# Altium PCB pUFM_Digital_Interface_R0.1-PCB.PcbDoc (part 1 of 3)
Units mm, origin at the board's own origin, x right, y up, seen from the top; angles counter-clockwise.
Board outline 147.37 x 77.37 mm, 2 copper layers (Top Layer, Bottom Layer), stack 1.57 mm thick; 267 components, 162 nets, 742 pads, 196 vias.
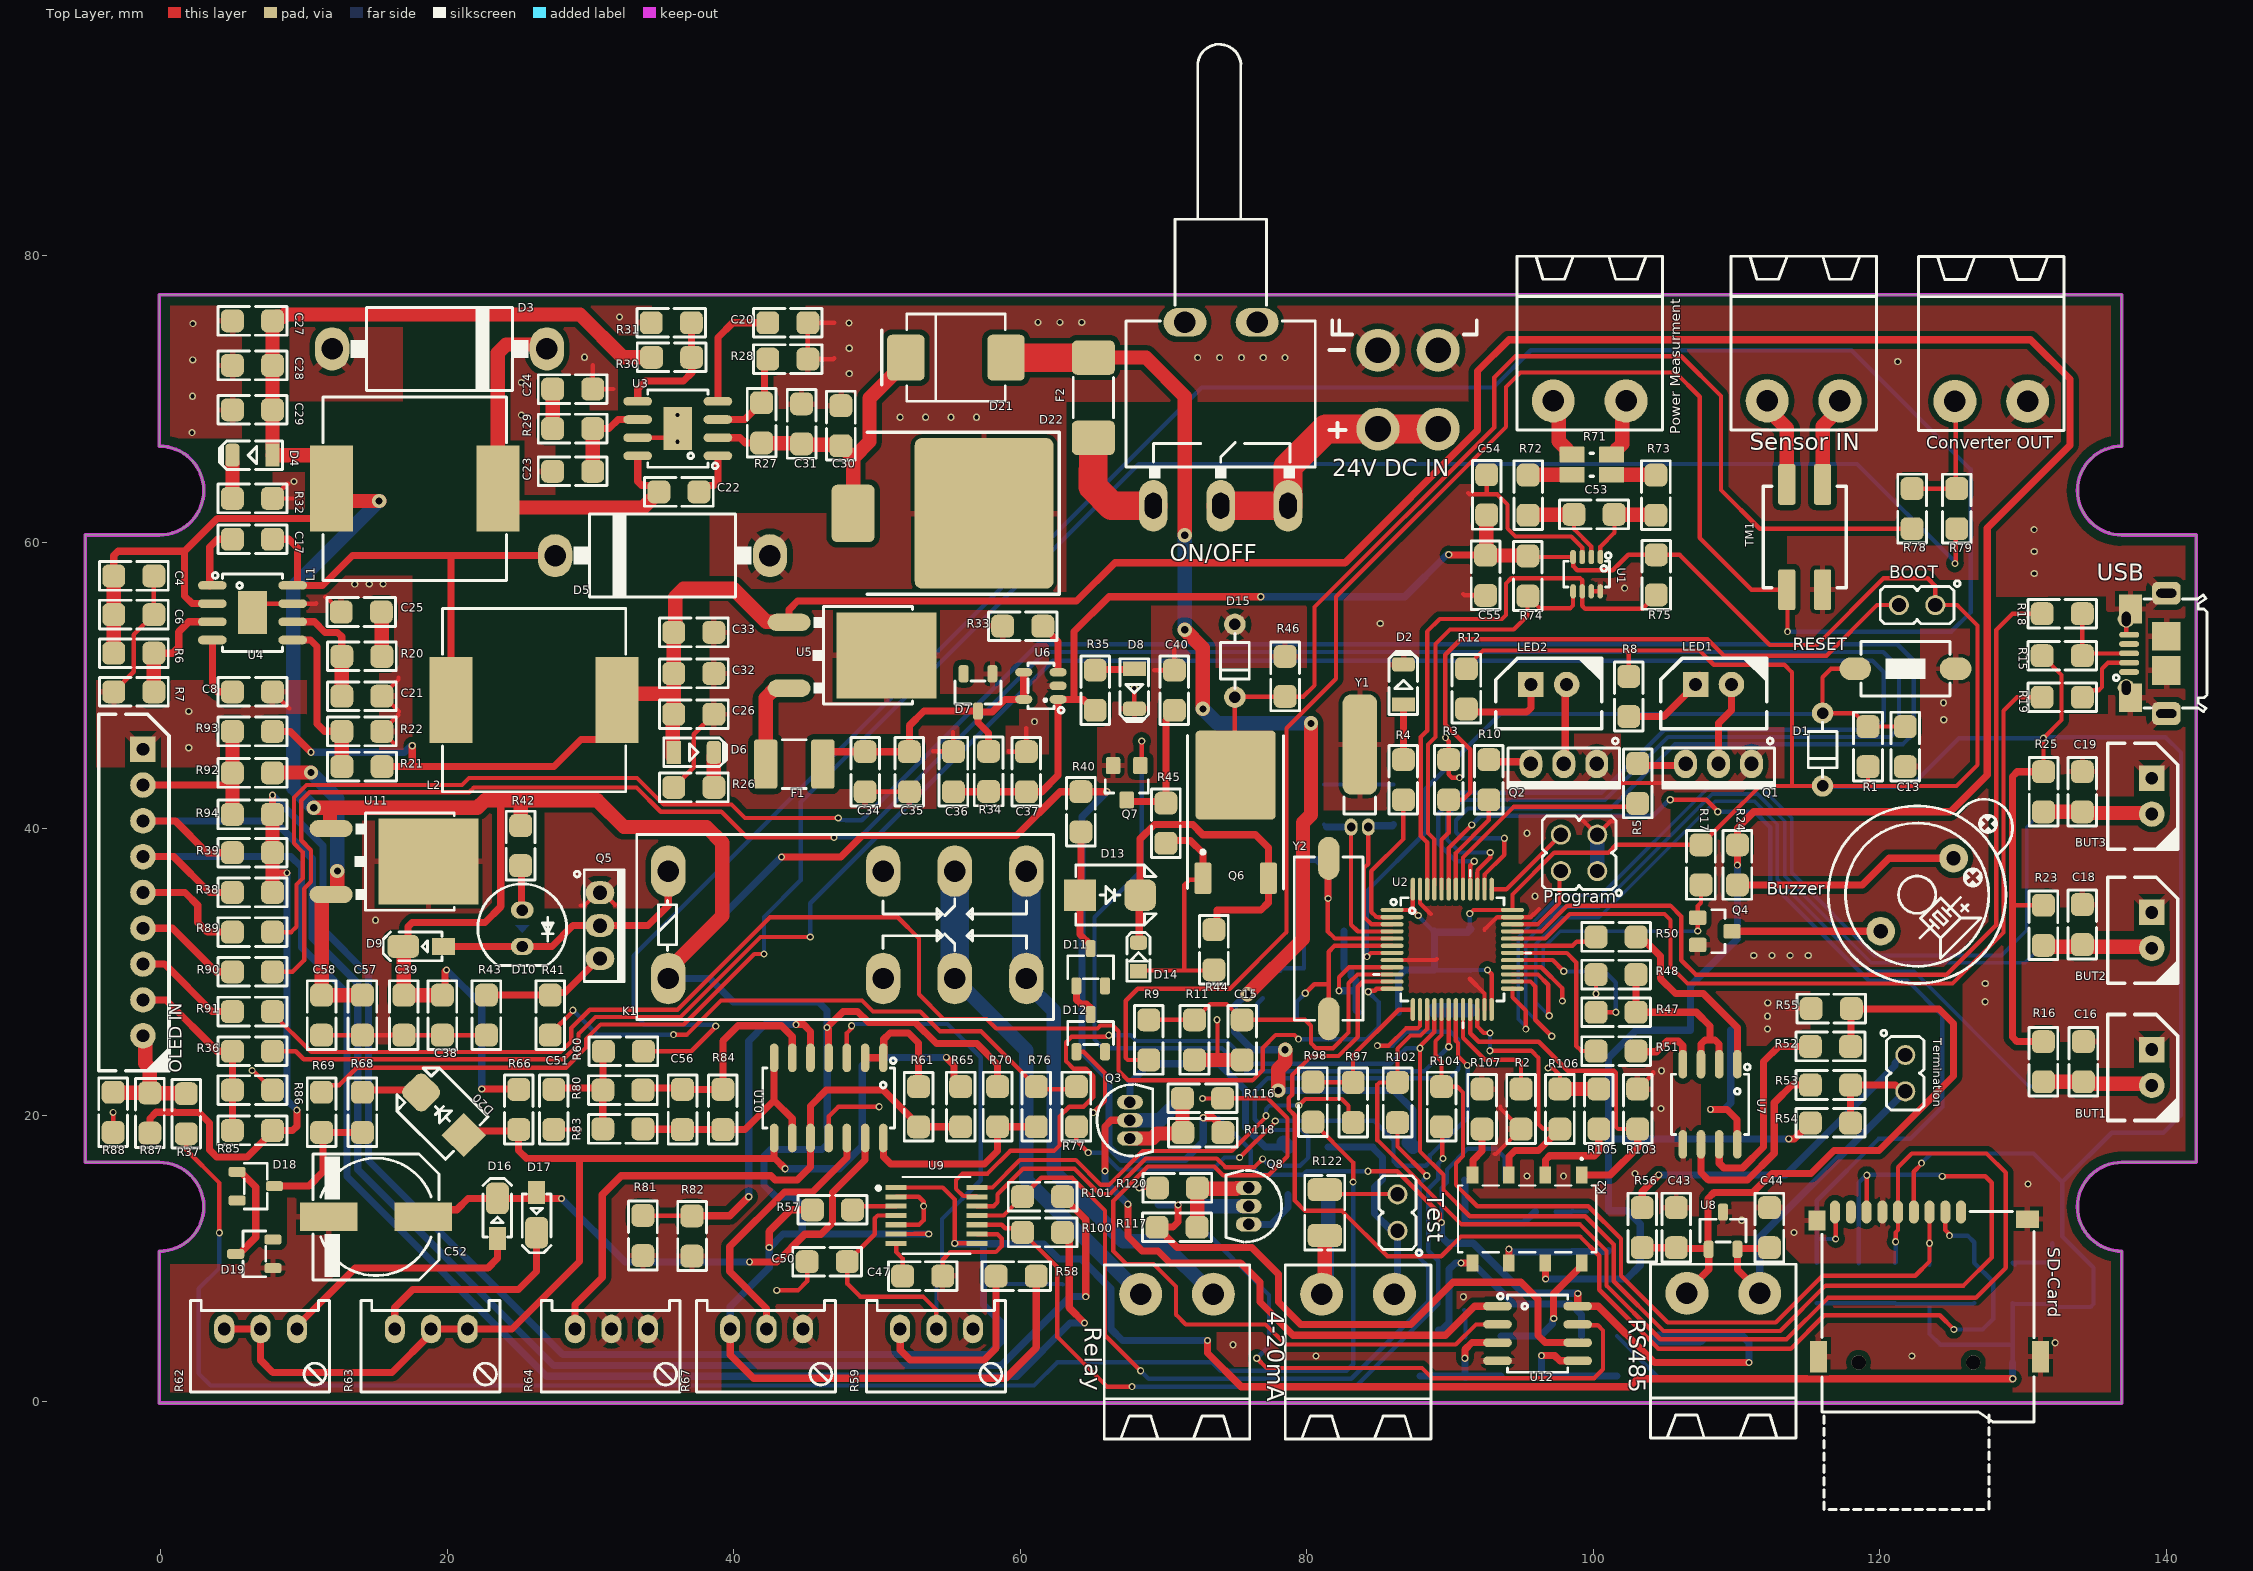
[diagram p0: Top Layer view]
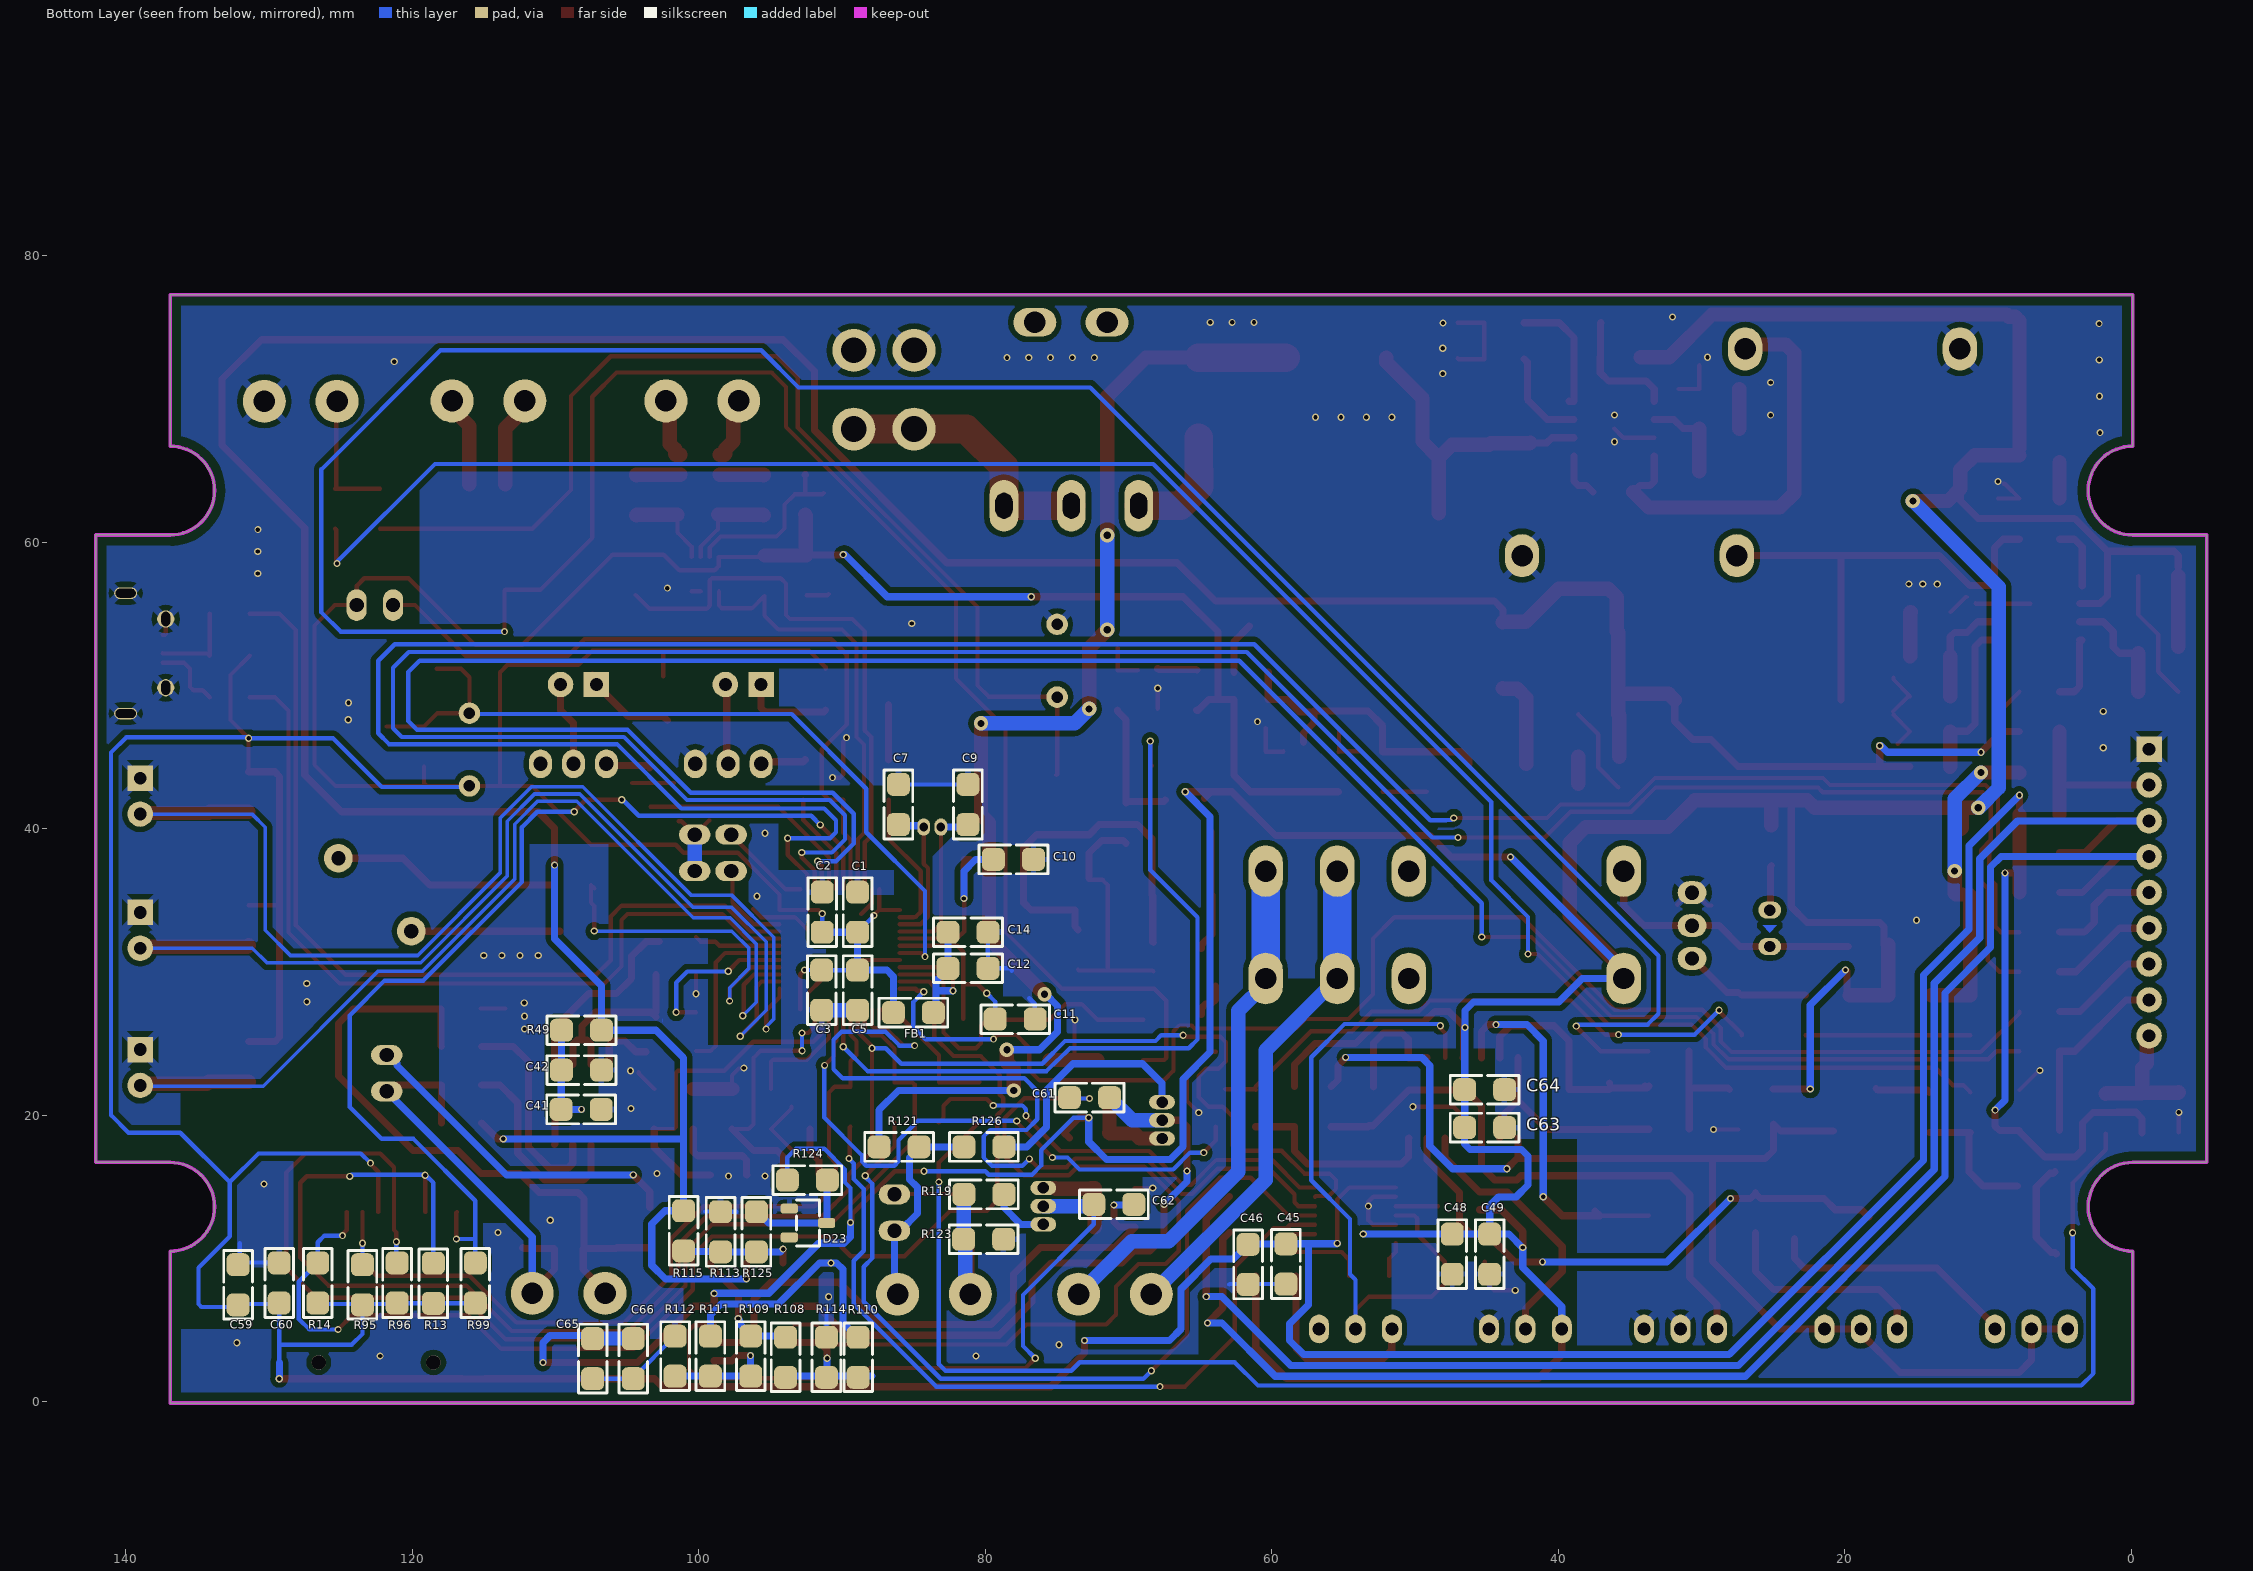
[diagram p1: Bottom Layer view, seen from below]

## Layer stack, top to bottom
Top Solder: solder mask 0.015, Solder Resist, Dk 3.5
Top Layer: signal copper 0.035
Dielectric1: core 1.5, FR-4, Dk 4.8
Bottom Layer: signal copper 0.035
Bottom Solder: solder mask 0.015, Solder Resist, Dk 3.5

## Board outline
-0.097,-0.076 -0.097,10.52 ccw(c-0.097,13.62) -0.097,16.72 -5.283,16.72 -5.283,60.52 -0.097,60.52 ccw(c-0.097,63.62) -0.097,66.72 -0.097,77.296 136.903,77.296 136.903,66.72 ccw(c136.903,63.62) 136.903,60.52 142.089,60.52 142.089,16.72 136.903,16.72 ccw(c136.903,13.62) 136.903,10.52 136.903,-0.076

## Design rules (kind name [scope] priority, off if disabled: settings)
AssemblyTestPointUsage [All] p1 off:
AssemblyTestpoint [All] p1 off: testpointundercomponent=TRUE minsize=1.016 maxsize=2.54 preferedsize=1.524 minholesize=0 maxholesize=1.016 preferedholesize=0.813 testpointgrid=0.025 usegrid=TRUE gridtolerance=0 allowsidetop=TRUE allowsidebottom=TRUE
Clearance "Via with Pad" [IsVia vs ISPAD] p1 off: gap=0.127 ignorepadtopadclearanceinfootprint=TRUE
Clearance "3mm Distance Keep-Out with Pad" [OnLayer('Keep-Out Layer') vs Ispad - HasFootprint('?') - InComponent('?')] p2 off: gap=3 ignorepadtopadclearanceinfootprint=FALSE
Clearance "5mm Distance Pad SMD with THT" [(CompPinCount_ThruHole > 1) - (HoleSize = 10000 ) - HasFootprint('?') vs (HoleSize = 0) - (OnLayer('Top/Bottom Layer')) - InComponent('?')] p3 off: gap=5 ignorepadtopadclearanceinfootprint=FALSE
Clearance "Polygon with Keep-out" [inpolygon vs OnLayer('Keep-Out Layer')] p4: gap=0.635 ignorepadtopadclearanceinfootprint=FALSE
Clearance "Polygon with All" [inpolygon] p5: gap=0.381 ignorepadtopadclearanceinfootprint=FALSE // Min=10mil
Clearance "All with Keep-out" [All vs OnLayer('Keep-Out Layer')] p6: gap=0.762 ignorepadtopadclearanceinfootprint=FALSE
Clearance "Width = 10" [Width = 10 vs Width = 10] p7: gap=0.2 ignorepadtopadclearanceinfootprint=FALSE
Clearance "Clearance All" [All] p8: gap=0.2 ignorepadtopadclearanceinfootprint=TRUE // Min=8mil
ComponentClearance "Choke CAN" [InComponent('R?')or InComponent('R?')or InComponent('L?') vs InComponent('R?')or InComponent('R?')or InComponent('L?')] p1 off: gap=0 collisioncheckmode=3 verticalgap=0 showdistances=FALSE
ComponentClearance "3D Top with 3D Bottom" [OnLayer('3D Top') vs OnLayer('3D Bottom')] p2 off: gap=0 collisioncheckmode=3 verticalgap=0 showdistances=FALSE
ComponentClearance "3D Layer with Logo & TP-?" [OnLayer('3D Top') or OnLayer('3D Bottom') vs HasFootprint('LOGO-?') OR HasFootprint('TP-?') OR HasFootprint('?')] p3 off: gap=0 collisioncheckmode=3 verticalgap=0 showdistances=FALSE
ComponentClearance "3D Layer with All" [OnLayer('3D Top') or OnLayer('3D Bottom')] p4 off: gap=0.7 collisioncheckmode=3 verticalgap=0.7 showdistances=FALSE
ComponentClearance [All] p5 off: gap=0.254 collisioncheckmode=3 verticalgap=0.254 showdistances=FALSE
DiffPairsRouting [All] p1: maxlimit=0.254 minlimit=0.254 mostfreqgap=0.254 toplayer_minwidth=0.254 toplayer_maxwidth=0.254 toplayer_prefwidth=0.254 bottomlayer_minwidth=0.254 bottomlayer_maxwidth=0.254 bottomlayer_prefwidth=0.254 maxuncoupledlength=25.4
FabricationTestPointUsage [All] p1 off: valid=0 allowmultiple=FALSE
FabricationTestpoint [All] p1 off: side=3 testpointundercomponent=TRUE minsize=1 maxsize=2.54 preferedsize=1.524 minholesize=0 maxholesize=1.016 preferedholesize=0.813 testpointgrid=0.025 allowsidetop=TRUE allowsidebottom=TRUE usegrid=FALSE gridtolerance=0 minspacing=2.54
Height [All] p1 off: minheight=0 maxheight=25.4 prefheight=12.7
HoleSize [All] p1: absolutevalues=TRUE maxlimit=7 minlimit=0.3 maxpercent=80.000 minpercent=50.000
HoleToHoleClearance [All] p1: gap=0.3 allowstackedmicrovias=TRUE
MinimumAnnularRing [All] p1 off: minimumring=0.15
MinimumSolderMaskSliver MinimumSolderMask_All [All] p1 off: minsoldermaskwidth=0.254
PasteMaskExpansion [All] p1: expansion=-0.05
PlaneClearance [All] p1: clearance=0.381
PlaneConnect [All] p1: pad.planeconnectstyle=Relief pad.reliefexpansion=0.508 pad.reliefentries=4 pad.reliefconductorwidth=0.508 pad.reliefairgap=0.305 via.planeconnectstyle=Direct via.reliefexpansion=0.508 via.reliefentries=4 via.reliefconductorwidth=0.508 via.reliefairgap=0.3
PolygonConnect "PolygonConnect - Test Point" [HasFootprint('TP-?')] p1: connectstyle=Direct reliefconductorwidth=0.254 reliefentries=4 polygonreliefangle="90 Angle" airgapwidth=0.254
PolygonConnect "PolygonConnect - Pad" [All] p2: thpad.connectstyle=Relief thpad.reliefconductorwidth=0.508 thpad.reliefentries=4 thpad.polygonreliefangle="45 Angle" thpad.airgapwidth=0.381 smdpad.connectstyle=Relief smdpad.reliefconductorwidth=0.381 smdpad.reliefentries=4 smdpad.polygonreliefangle="90 Angle" smdpad.airgapwidth=0.254 via.connectstyle=Direct via.reliefconductorwidth=0.508 via.reliefentries=4 via.polygonreliefangle="90 Angle" via.airgapwidth=0.305
RoutingVias [All] p1: holewidth=0.5 width=1 viastyle="Through Hole" minholewidth=0.3 minwidth=0.5 maxholewidth=0.7 maxwidth=1.3
SilkToSilkClearance SilkToSilk_All [All] p1 off: silktosilkclearance=0.051
SilkToSolderMaskClearance SilkscreenOver_ComponentPads [IsPad] p1 off: minsilkscreentomaskgap=0.152 clearancetoexposedcopper=FALSE
SolderMaskExpansion ALL [All] p1: expansion=0.102
UnRoutedNet [All] p1: checkbadconnections=TRUE
Width [All] p1: maxlimit=3.81 minlimit=0.2 preferedwidth=0.3
14 further rules are at their usual default settings.

## Classes and differential pairs
component class "4-20mA Tx": C61 C62 C65 C66 D23 K2 Q3 Q8 R103 R105 R106 R107 R108 R109 R110 R111 R112 R113 R114 R115 R116 R117 R118 R119 R120 R121 R122 R123 R124 R125 R126 Test U12
component class RS485: C41 C42 C43 C44 R47 R48 R49 R50 R51 R52 R53 R54 R55 R56 Termination U7 U8
component class "Power Measure": C53 C54 C55 R71 R72 R73 R74 R75 U1
component class "Output Driver": C40 D9 D10 D11 D12 D13 D14 D15 K1 Q5 Q6 Q7 R40 R41 R42 R43 R44 R45 R46
component class Microcontroller: BOOT BUT1 BUT2 BUT3 Buzzer C1 C2 C3 C5 C7 C9 C10 C11 C12 C13 C14 C15 C16 C18 C19 C59 C60 D1 D2 FB1 LED1 LED2 Program Q1 Q2 Q4 R1 R2 R3 R4 R5 R8 R9 R10 R11 R12 R13 R14 R15 R16 R17 R18 R19 R23 R24 R25 R95 R96 R97 R98 R99 R102 R104 RESET SD-Card U2 USB Y1 Y2
component class MainSheet: 4-20mA "24V DC IN" "Converter OUT" F2 ON/OFF "Power Measurment" R76 R77 R78 R79 R100 R101 Relay RS485 "Sensor IN" TM1
component class "LDO 3V3": C33 C34 C35 C36 C37 D7 D8 F1 R33 R34 R35 U5 U6
component class LCD: C38 C39 C57 C58 "OLED IN" R36 R37 R38 R39 R85 R86 R87 R88 R89 R90 R91 R92 R93 R94 U11
component class Comperator: C45 C46 C47 C48 C49 C50 C51 C52 C56 C63 C64 D16 D17 D18 D19 D20 R57 R58 R59 R60 R61 R62 R63 R64 R65 R66 R67 R68 R69 R70 R80 R81 R82 R83 R84 U9 U10
component class "Buck 15V": C20 C22 C23 C24 C27 C28 C29 C30 C31 D3 D4 D21 D22 L1 R27 R28 R29 R30 R31 R32 U3
component class "Buck 5V": C4 C6 C8 C17 C21 C25 C26 C32 D5 D6 L2 R6 R7 R20 R21 R22 R26 U4

## Components (designator, comment, footprint, x,y, rotation, side; value= is the part's Value field where it differs from the comment)
4-20mA "Output" MSTB_2 83.58,7.518 r180 top
"24V DC IN" "ATX 2*2 RA" POWER_2X2-RA 87.071,70.663 r0 top (schematic designator DC_IN)
BOOT "HDRM2" HDR_M_1X2 122.606,55.626 r180 top (schematic designator J2)
BUT1 "HDRM2" TMS2 138.989,23.345 r90 top
BUT2 "HDRM2" TMS2 138.989,32.922 r90 top
BUT3 "HDRM2" TMS2 138.989,42.286 r90 top
Buzzer "BUZZER" BZ_C12 122.606,35.408 r225 top (schematic designator BZ1)
C1 "10uF" C1206 88.907,28.744 r90 bottom
C2 "100nF" C1206 91.415,28.744 r90 bottom
C3 "100nF" C1206 91.377,34.188 r270 bottom
C4 "22uF" C1206 -1.883,57.658 r0 top
C5 "100nF" C1206 88.907,34.188 r270 bottom
C6 "22uF" C1206 -1.883,54.963 r0 top
C7 "15pF" C1206 86.055,41.707 r270 bottom
C8 "8.2nF" C1206 6.401,49.572 r180 top
C9 "15pF" C1206 81.204,41.707 r270 bottom
C10 "22pF" C1206 78.029,37.871 r0 bottom
C11 "22pF" C1206 77.906,26.721 r0 bottom
C12 "10uF" C1206 81.204,30.267 r180 bottom
C13 "100nF" C1206 121.78,45.745 r90 top
C14 "100nF" C1206 81.204,32.788 r0 bottom
C15 "1nF" C1206 75.489,25.273 r90 top
C16 "100nF" C1206 134.214,23.749 r270 top
C17 "100nF" C1206 6.401,60.223 r0 top
C18 "100nF" C1206 134.137,33.325 r270 top
C19 "100nF" C1206 134.137,42.596 r270 top
C20 "8.2nF" C1206 43.77,75.337 r180 top
C21 "10pF" C1206 14.038,49.267 r180 top
C22 "100nF" C1206 36.17,63.525 r180 top
C23 "10pF" C1206 28.753,64.965 r0 top
C24 "1.8nF" C1206 28.753,70.708 r180 top
C25 "4.3nF" C1206 13.995,55.143 r0 top
C26 "10uF" C1206 37.211,48.006 r0 top
C27 "10uF" C1206 6.401,75.464 r180 top
C28 "10uF" C1206 6.401,72.36 r180 top
C29 "10uF" C1206 6.401,69.256 r180 top
C30 "10uF" C1206 47.478,68.149 r90 top
C31 "10uF" C1206 44.735,68.276 r90 top
C32 "10uF" C1206 37.211,50.851 r0 top
C33 "1uF" C1206 37.211,53.721 r180 top
C34 "10uF" C1206 49.174,43.993 r90 top
C35 "100nF" C1206 52.255,43.993 r90 top
C36 "100nF" C1206 55.335,43.993 r270 top
C37 "10uF" C1206 60.423,43.993 r270 top
C38 "100nF" C1206 19.66,27 r90 top
C39 "1uF" C1206 16.967,27 r90 top
C40 "100nF" C1206 70.755,49.682 r270 top
C41 "10uF" C1206 108.204,20.422 r0 bottom
C42 "100nF" C1206 108.179,23.165 r0 bottom
C43 "100pF" C1206 105.792,12.167 r270 top
C44 "100pF" C1206 112.293,12.167 r90 top
C45 "100nF" C1206 59.004,9.627 r270 bottom
C46 "10uF" C1206 61.646,9.601 r270 bottom
C47 "1uF" C1206 53.188,8.788 r180 top
C48 "100nF" C1206 47.396,10.312 r270 bottom
C49 "10uF" C1206 44.783,10.312 r270 bottom
C50 "10uF" C1206 46.52,9.788 r0 top
C51 "10nF" C1206 27.435,20.415 r90 top
C52 "100uF" C_EL_8 15.021,12.916 r180 top
C53 "100nF" C1206 100.051,61.951 r180 top
C54 "100nF" C1206 92.558,63.322 r270 top
C55 "10uF" C1206 92.481,57.709 r90 top
C56 "100nF" C1206 36.42,20.415 r270 top
C57 "10uF" C1206 14.074,27 r90 top
C58 "100nF" C1206 11.227,27 r90 top
C59 "100nF" C1206 132.156,8.179 r90 bottom
C60 "10uF" C1206 129.286,8.306 r90 bottom
C61 "100pF" C1206 72.72,21.247 r0 bottom
C62 "100p" C1206 71.018,13.792 r0 bottom
C63 "100nF" C1206 45.136,19.153 r180 bottom
C64 "10uF" C1206 45.136,21.796 r180 bottom
C65 "100nF" C1206 107.404,3.023 r90 bottom
C66 "10uF" C1206 104.572,3.023 r90 bottom
"Converter OUT" "Output" MSTB_2 127.787,69.85 r0 top (schematic designator CONV-IN)
D1 "1N4148" D_AX02_DO35 116.007,45.542 r270 top
D2 "LED1206GRN" LED1206GRN 86.741,50.083 r90 top
D3 "1N5822" D_AX06_DO27 19.456,73.508 r0 top
D4 "LED1206GRN" LED1206GRN 6.401,66.091 r180 top
D5 "1N5822" D_AX06_DO27 35.027,59.08 r180 top
D6 "LED1206GRN" LED1206GRN 37.211,45.348 r0 top
D7 "ZENER 3V9" SOT23_3 57.048,49.53 r270 top
D8 "LED1206BLU" LED1206BLU 67.961,49.783 r270 top
D9 "1N4148W" D_SOD123W 18.128,31.797 r180 top
D10 "LED5MM_RED" LED5MM_RED 25.234,33.063 r270 top
D11 "ZENER2V4" SOT23_3 64.915,30.344 r90 top
D12 "ZENER2V4" SOT23_3 64.915,25.744 r90 top
D13 "SS14" D_SMB 66.269,35.382 r0 top
D14 "DIODE_SMD_ZENER_MM3Z2V7B" D0805 68.25,31.064 r90 top value=ZENER2V7
D15 "1N4148" D_AX02_DO35 74.981,51.74 r270 top
D16 "1N4148W" D_SOD123W 23.495,13.005 r90 top
D17 "1N4148W" D_SOD123W 26.234,13.017 r270 top
D18 "ZENER2V4" SOT23_3 6.629,15.062 r0 top
D19 "ZENER2V4" SOT23_3 6.528,10.338 r180 top
D20 "SS14" D_SMB 19.66,20.117 r135 top
D21 "S3GHE3_A/I" "DO214AB (SMC)" 55.508,72.898 r0 top
D22 "SM8S24AHE3_A/I" DO-218AB 57.48,62.027 r0 top
D23 "13V" SOT23_3 92.377,12.491 r180 bottom
F1 "LP-MSM020" F-1812(4532) 44.221,44.526 r0 top value=0.6(Ohm)
F2 "FUSE1A" F2410 65.1,70.104 r90 top
FB1 "FB1206" L1206 85.014,27.178 r180 bottom
K1 "RELAY_DPDT" REL_DPDT_8_2913 47.923,33.309 r90 top
K2 "G3VM-62J1" J-SOP8_OMR 95.377,12.776 r270 top
L1 "22uH , 3.5A" L_12 17.729,63.754 r180 top
L2 "22uH , 3.5A" L_12 26.063,48.997 r0 top
LED1 "HDRM2" TMS2 108.397,50.083 r180 top
LED2 "HDRM2" TMS2 96.892,50.083 r180 top
"OLED IN" "HDR1X9" TMS9 -1.245,35.563 r90 top value=HDRM9 (schematic designator P_OLED)
ON/OFF "ToggleSwitch" SWTOG_SPDT_R_M2012 73.99,62.56 r0 top
"Power Measurment" "" MSTB_2 99.746,69.875 r0 top (schematic designator PowerMeas_IN)
Program "HDRM_2X2" HDR_M_2X2 99.009,38.329 r90 top (schematic designator J1)
Q1 "BD139" TO126_3 108.744,44.539 r180 top
Q2 "BD139" TO126_3 97.942,44.539 r180 top
Q3 "2N3906" TO92_3 67.657,19.66 r90 top
Q4 "BCR116" SOT23 108.487,32.853 r270 top
Q5 "BD139" TO126_3 30.658,33.249 r270 top
Q6 "SPD15P10PL G" "TO-252 (D-PAK)" 75.032,40.157 r0 top
Q7 "BCR116" SOT23 67.429,43.218 r180 top
Q8 "2N3904" TO92_3 75.946,13.665 r270 top
R1 "10K" R1206 119.177,45.745 r270 top
R2 "10K" R1206 94.955,20.447 r90 top
R3 "10K" R1206 89.907,43.434 r270 top
R4 "1.5K" R1206 86.741,43.434 r270 top
R5 "1K" R1206 103.099,43.18 r90 top
R6 "169K" R1206 -1.883,52.267 r180 top
R7 "18.7K" R1206 -1.883,49.572 r0 top
R8 "150" R1206 102.475,49.248 r90 top
R9 "5.6K" R1206 68.966,25.273 r90 top
R10 "1K" R1206 92.705,43.434 r90 top
R11 "2.4K" R1206 72.161,25.273 r90 top
R12 "150" R1206 91.141,49.783 r90 top
R13 "10K" R1206 118.524,8.28 r270 bottom
R14 "10K" R1206 126.594,8.306 r90 bottom
R15 "1.5K" R1206 132.737,52.094 r0 top
R16 "10K" R1206 131.42,23.749 r90 top
R17 "220K" R1206 107.518,37.49 r90 top
R18 "33" R1206 132.737,55.026 r180 top
R19 "33" R1206 132.737,49.194 r180 top
R20 "11.3K" R1206 14.038,52.047 r180 top
R21 "10.2K" R1206 14.046,44.348 r0 top
R22 "1.96K" R1206 14.038,46.803 r180 top
R23 "10K" R1206 131.42,33.274 r90 top
R24 "150" R1206 110.058,37.49 r90 top
R25 "10K" R1206 131.429,42.596 r90 top
R26 "330" R1206 37.211,42.901 r0 top
R27 "169K" R1206 41.941,68.352 r270 top
R28 "12.7K" R1206 43.77,72.797 r180 top
R29 "34.8K" R1206 28.753,67.945 r0 top
R30 "10.2K" R1206 35.662,72.923 r180 top
R31 "576" R1206 35.636,75.336 r0 top
R32 "4.7k" R1206 6.401,63.068 r180 top
R33 "10K" R1206 60.173,54.153 r0 top
R34 "0" R1206 57.785,44.018 r270 top
R35 "150" R1206 65.231,49.682 r270 top
R36 "0" R1206 6.401,24.48 r0 top
R37 "0" R1206 1.778,20.117 r270 top
R38 "4.7K" R1206 6.401,35.569 r180 top
R39 "4.7K" R1206 6.401,38.341 r180 top
R40 "1K" R1206 64.231,41.199 r270 top
R41 "2.2K" R1206 27.187,27 r90 top
R42 "2.2k" R1206 25.121,38.837 r90 top
R43 "10K" R1206 22.733,27 r90 top
R44 "1.8K" R1206 73.52,31.564 r90 top
R45 "3.6K" R1206 70.168,40.399 r270 top
R46 "10K" R1206 78.486,50.648 r270 top
R47 "470" R1206 101.592,27.203 r0 top
R48 "10K" R1206 101.592,29.832 r0 top
R49 "4.7" R1206 108.179,25.951 r180 bottom
R50 "1k" R1206 101.592,32.461 r0 top
R51 "470" R1206 101.592,24.493 r0 top
R52 "4.7" R1206 116.561,24.816 r0 top
R53 "4.7" R1206 116.561,22.123 r0 top
R54 "NM" R1206 116.561,19.482 r180 top
R55 "NM" R1206 116.611,27.457 r0 top
R56 "120" R1206 103.415,12.167 r270 top
R57 "3K" R1206 46.888,13.411 r180 top
R58 "3K" R1206 59.715,8.788 r0 top
R59 "POT10K" POT_3296W 54.156,5.092 r180 top
R60 "1K" R1206 32.294,24.48 r180 top
R61 "10K" R1206 52.903,20.604 r270 top
R62 "POT10K" POT_3296W 6.972,5.092 r180 top
R63 "POT100K" POT_3296W 18.875,5.092 r180 top
R64 "POT10K" POT_3296W 31.458,5.092 r180 top
R65 "100K" R1206 55.839,20.609 r90 top
R66 "10K" R1206 24.987,20.415 r90 top
R67 "POT10K" POT_3296W 42.291,5.092 r180 top
R68 "1K" R1206 14.074,20.218 r270 top
R69 "0" R1206 11.227,20.218 r90 top
R70 "100K" R1206 58.416,20.609 r90 top
R71 "0.1R" R-1206_LVK 99.898,65.43 r180 top
R72 "10" R1206 95.453,63.297 r90 top
R73 "10" R1206 104.369,63.297 r90 top
R74 "3.3K" R1206 95.428,57.658 r90 top
R75 "3.3K" R1206 104.394,57.734 r90 top
R76 "0" R1206 61.115,20.609 r90 top
R77 "0" R1206 63.915,20.609 r90 top
R78 "0" R1206 122.25,62.357 r90 top
R79 "0" R1206 125.374,62.357 r90 top
R80 "10K" R1206 32.258,21.768 r0 top
R81 "10K" R1206 33.658,11.617 r90 top
R82 "10K" R1206 37.084,11.582 r90 top
R83 "0" R1206 32.258,19.061 r0 top
R84 "10K" R1206 39.236,20.415 r270 top
R85 "0" R1206 6.401,18.948 r0 top
R86 "0" R1206 6.401,21.768 r180 top
R87 "0" R1206 -0.762,20.168 r270 top
R88 "0" R1206 -3.327,20.218 r90 top
R89 "0" R1206 6.401,32.797 r180 top
R90 "0" R1206 6.401,30.025 r180 top
R91 "0" R1206 6.401,27.252 r180 top
R92 "0" R1206 6.401,43.908 r0 top
R93 "0" R1206 6.401,46.803 r0 top
R94 "0" R1206 6.401,41.008 r0 top
R95 "10K" R1206 123.473,8.179 r270 bottom
R96 "10K" R1206 121.056,8.306 r90 bottom
R97 "0" R1206 83.245,20.903 r270 top
R98 "0" R1206 80.425,20.93 r270 top
R99 "10K" R1206 115.595,8.306 r90 bottom
R100 "0" R1206 61.557,11.836 r180 top
R101 "0" R1206 61.557,14.337 r180 top
R102 "0" R1206 86.335,20.903 r270 top
R103 "10K" R1206 103.099,20.447 r90 top
R104 "0" R1206 89.411,20.609 r270 top
R105 "220" R1206 100.384,20.447 r270 top
R106 "10K" R1206 97.669,20.447 r90 top
R107 "220" R1206 92.24,20.447 r270 top
R108 "0" R1206 93.936,3.116 r270 bottom
R109 "0" R1206 96.367,3.2 r90 bottom
R110 "0" R1206 88.868,3.116 r270 bottom
R111 "0" R1206 99.187,3.2 r90 bottom
R112 "10K" R1206 101.651,3.2 r270 bottom
R113 "3K" R1206 98.476,11.874 r90 bottom
R114 "10K" R1206 91.086,3.116 r270 bottom
R115 "12K" R1206 101.054,11.947 r270 bottom
R116 "10K" R1206 72.72,21.196 r180 top
R117 "10K" R1206 70.942,12.192 r180 top
R118 "250" R1206 72.747,18.797 r0 top
R119 "0" R1206 80.089,14.487 r0 bottom
R120 "250" R1206 70.968,14.935 r0 top
R121 "0" R1206 86.014,17.805 r0 bottom
R122 "560" R1210 81.255,13.217 r90 top
R123 "0" R1206 80.112,11.354 r0 bottom
R124 "390" R1206 92.415,15.487 r180 bottom
R125 "0" R1206 95.974,11.874 r270 bottom
R126 "0" R1206 80.089,17.805 r180 bottom
Relay "300V , 8A" MSTB_2 70.942,7.518 r180 top
RESET "PUSHBUTTON" SWPBS_SPST_6X3X5 121.793,51.181 r180 top (schematic designator SW1)
RS485 "Output" MSTB_2 109.081,7.579 r180 top
SD-Card "SD_MICRO" SDMICRO_AT 123.474,8.006 r180 top (schematic designator J3)
"Sensor IN" "" MSTB_2 114.681,69.875 r0 top (schematic designator Sens_IN)
Termination "HDRM2" HDR_M_1X2 121.78,22.949 r270 top (schematic designator Term)
Test "HDRM2" HDR_M_1X2 86.335,13.217 r90 top (schematic designator J4)
TM1 "B82793S0513N201" Choke-7.1_6.0_4.8 114.757,60.376 r90 top value=51uH
U1 "INA219" SOT23_8 99.543,57.785 r270 top
U2 "STM32F103" QFG50_48 90.157,31.594 r0 top
U3 "TPS54332DDA" SO_8T 36.093,67.945 r180 top
U4 "TPS54332DDA" SO_8T 6.401,55.093 r0 top
U5 "LF33" DPAK_3 43.866,52.121 r270 top
U6 "SY6280AAC" SOT23_5 61.443,49.987 r180 top
U7 "ADM485" SO_8 108.153,20.777 r270 top
U8 "CDSOT23-SM712" SOT23_3 109.058,11.956 r90 top
U9 "AD5293BRUZ-100" RU_14_ADI 54.156,13.017 r0 top
U10 "LM324" SO_14 46.625,21.222 r270 top
U11 "L78M12ABDT" DPAK_3 11.887,37.719 r270 top
U12 "TL072" SO_8 96.114,4.775 r0 top
USB "CONN_USB_MICROB" USB_MICRO_B_BM_SHS 137.405,52.254 r270 top (schematic designator PUSB)
Y1 "XTL_32.768" XTLT_RTC 83.693,40.132 r0 top
Y2 "XTL_8MHz" XTL_2_11X5 81.527,32.344 r90 top

## Footprints (in the part's own frame and the unit in brackets; to place one, negate y for a bottom-side part, rotate by r counter-clockwise, add the part's x,y. Pads: shape width x height; smd on the part's side, far side on the other; paste and mask are expansions set on the pad)
BZ_C12 [mm] "BUZZER 12mm DIA, 8.5mm Height , 7.62mm pitch"
  round 2 hole 1: 1(-3.6,0) 2(3.6,0)
  silkscreen extent -8.6,-6.2 6.2,6.2, body extent -6,-6 6,6, height 9.5
C1206 [mm] "CHIP Capacitor, 3.2X1.6mm, 1206"
  rrect50% 1.6x1.6 smd paste-0.1 mask+0.075: 1(-1.4,0) 2(1.4,0)
  Top Layer pour cut-out: -0.8,1 -0.8,-1 0.8,-1 0.8,1
  silkscreen extent -2.4,-1 2.4,1, body extent -1.6,-0.8 1.6,0.8, height 1
C_EL_8 [mm] "Electrolytic Cap, Size E, Size F, 8.3X10"
  rect 4x2 smd: 1(-3.3,0) 2(3.3,0)
  Top Layer pour cut-out: 2.794,4.191 2.794,-4.191 -2.794,-4.191 -2.794,4.191
  silkscreen extent -4.4,-4.4 4.4,4.4, body extent -4.9,-4.25 4.8,4.25, height 10.3
Choke-7.1_6.0_4.8 [mm]
  rrect25% 2.85x1.2 smd: 1(3.675,1.25) 2(-3.675,1.25) 3(-3.675,-1.25) 4(3.675,-1.25)
  silkscreen extent -3.55,-2.9 3.55,2.9, body extent -5.1,-3 5.1,3, height 4.84
D0805 [mm] "DIODE0805, SOD323 (PHILIPS), SC-76 (JEITA), DL-35, MicroMELF"
  rect 1x1.2 smd paste-2 mask+0.075: 1(-1,0)
  rrect50% 1x1.2 smd paste-2 mask+0.075: 2(1,0)
  Top Layer pour cut-out: -0.5,0.8 0.5,0.8 0.5,-0.8 -0.5,-0.8
  silkscreen extent -1.7,-0.8 1.7,0.8, body extent -1.43,-0.8 1.43,0.7, height 1.17
D_AX02_DO35 [mm] "DIODE 0.2 INCH SPACING DO-35, 1N4148"
  round 1.5 hole 0.8: 1(-2.54,0) 2(2.54,0)
  silkscreen extent -1.91,-1 1.93,1, body extent -2.81,-0.9 2.81,0.9, height 1.82
D_AX06_DO27 [mm] "DIODE 0.6 INCH SPACING A-500 (Vishay)  DO-201A DO-27 BYW98"
  oval 2.4x3 hole 1.5: 1(-7.5,0) 2(7.5,0)
  silkscreen extent -6.2,-3 6.2,2.9, body extent -8.28,-2.8 8.28,2.8, height 7.6
D_SMB [mm] "SMB Molded Diode, 2-Leads, Body 4.3x3.5mm"
  rect 2.2x2.2 smd paste-0.1: 1(-2.1,0)
  rrect50% 2.2x2.2 smd paste-0.1: 2(2.1,0)
  Top Layer pour cut-out: -1.524,2.1 -1.524,-2.1 1.524,-2.1 1.524,2.1
  silkscreen extent -2.4,-2.1 3.2,2.1, body extent -2.75,-1.95 2.75,1.95, height 2.45
D_SOD123W [mm] "PowerDI-123, SOD123, DO-213AA, 1206D"
  rect 1.6x1.2 smd paste-0.1 mask+0.1: 1(-1.6,0)
  rrect50% 2.2x1.6 smd paste-0.1 mask+0.1: 2(1.2,0)
  Top Layer pour cut-out: -1.016,1.1 -1.016,-1.1 1.016,-1.1 1.016,1.1
  silkscreen extent -1.5,-1 2.6,1, body extent -1.95,-0.97 1.95,0.96, height 1
"DO214AB (SMC)" [mm]
  rrect25% 2.6x3.2 smd: 1(3.5,0) 2(-3.5,0)
  silkscreen extent -5.18,-3.05 3.43,3.05, body extent -4.8,-3.15 4.8,3.15, height 2.67
DO-218AB [mil]
  rrect50% 60x60 smd: 1(-140,-150) 1(-140,-50) 1(-140,50) 1(-140,150) 1(-46.67,-150) 1(-46.67,-50) 1(-46.67,50) 1(-46.67,150) 1(46.67,-150) 1(46.67,-50) 1(46.67,50) 1(46.67,150) 1(140,-150) 1(140,-50) 1(140,50) 1(140,150)
  rrect10% 381.89x413.39 smd paste-206.69: 1(0,0)
  rrect25% 118.11x157.48 smd: 2(-360.24,0)
  silkscreen extent -321,-222 207,222, body extent -419,-207 214,207, height 198
DPAK_3 [mm] "D-PAK (TO-252), 3-Pads, Body 6.2x6.7mm"
  oval 1.2x3 smd: 1(-2.3,0) 3(2.3,0)
  rect 6x7 smd paste-5: 4(0,6.8)
  silkscreen extent -3.4,1.63 3.4,8.6, body extent -3.37,-0.5 3.37,9.6, height 2.37
F2410 [mm] "FUSE, 6x2.5mm"
  rrect30% 2.4x3 smd paste-0.2 mask+0.1: 1(-2.8,0) 2(2.8,0)
  silkscreen extent -1.4,-1.4 1.4,1.4, body extent -3.09,-1.25 3.09,1.25, height 2.18
F-1812(4532) [mil] "Chip Capacitor, Body 4.5x3.2mm, IPC High Density"
  rrect25% 65x135 smd: 1(-78.74,0) 2(78.74,0)
  silkscreen extent -33,-67 33,67, body extent -111,-68 111,68, height 21
HDR_M_1X2 [mm] "Connector; Header; 2 Position"
  round 1.4 / inner round 1.4 / far side oval 1.4x2.2 hole 1 mask+0.1: 1(-1.27,0) 2(1.27,0)
  silkscreen extent -3,-1.7 2.57,1.3, body extent -2.54,-1.25 2.44,1.25, height 8.72
HDR_M_2X2 [mm] "Connector; Header; 2x2 Position"
  round 1.4 / inner round 1.4 / far side oval 1.4x2.2 hole 1: 1(-1.27,-1.27)
  round 1.4 / inner round 1.4 / far side oval 1.4x2.2 hole 1 mask+0.1: 2(-1.27,1.27) 3(1.27,-1.27) 4(1.27,1.27)
  silkscreen extent -3,-2.97 2.57,2.57, body extent -2.56,-2.54 2.47,2.54, height 8.54
J-SOP8_OMR [mil]
  rect 47x32 smd paste+0 mask+0: 1(-121.06,150) 2(-121.06,50) 3(-121.06,-50) 4(-121.06,-150) 5(121.06,-150) 6(121.06,-50) 7(121.06,50) 8(121.06,150)
  silkscreen extent -168,-190 92,190, body extent -131,-185 131,185, height 91
L1206 [mm] "INDUCTOR, FERRITE BEAD, 1206, 3.2X1.6mm"
  rrect50% 1.6x1.6 smd paste-0.1 mask+0.075: 1(-1.4,0) 2(1.4,0)
  Top Layer pour cut-out: -0.8,1 -0.8,-1 0.8,-1 0.8,1
  silkscreen extent -2.4,-1 2.4,1, body extent -1.6,-0.8 1.6,0.8, height 1.1
L_12 [mm] "INDUCTOR, 13.5x12.5mm, DR125, CDRH127, D128C 931AS"
  rect 3x6 smd paste-4: 1(-5.8,0) 2(5.8,0)
  Top Layer pour cut-out: -4.699,6.096 4.953,6.096 4.953,-6.096 -4.699,-6.096
  silkscreen extent -6.4,-6.4 6.4,6.4, body extent -6.16,-6.15 6.16,6.15, height 8.16
LED5MM_RED [mm] "LED THD 5MM RED"
  oval 1.2x1.6 hole 0.8: 1(-1.27,0) 2(1.27,0)
  Bottom Layer region: -0.2,0.5 -0.2,-0.5 0.3,0
  silkscreen extent -3.1,-3.1 2.6,3.1, body extent -3,-3 2.5,3, height 9.14
LED1206BLU [mm] "LED, 1206, BLUE"
  rect 1x1.6 smd paste-0.2 mask+0.075: 1(-1.4,0)
  rrect50% 1x1.6 smd paste-0.2 mask+0.075: 2(1.4,0)
  Top Layer pour cut-out: -1.1,1.1 -1.1,-1.1 1.1,-1.1 1.1,1.1
  silkscreen extent -2.1,-1 2.3,1, body extent -1.6,-0.8 1.6,0.8, height 0.68
LED1206GRN [mm] "LED, 1206, GREEN"
  rect 1x1.6 smd paste-0.2 mask+0.075: 1(-1.4,0)
  rrect50% 1x1.6 smd paste-0.2 mask+0.075: 2(1.4,0)
  Top Layer pour cut-out: -1.1,1.1 -1.1,-1.1 1.1,-1.1 1.1,1.1
  silkscreen extent -2.1,-1 2.3,1, body extent -1.6,-0.8 1.6,0.8, height 0.68
MSTB_2 [mm] "PHOENIX MSTB 2, 5-G, 5.08mm pitch, 2pin"
  round 3 hole 1.5: 1(-2.54,0) 2(2.54,0)
  silkscreen extent -5.08,-2.03 5.08,10.1, body extent -5,-2 5,10, height 8.7
POT_3296W [mm] "POT, TRIM, 10.0X5.0mm, pitch: 2.5mm 3299W 3296W S64W"
  oval 1.4x2 / inner round 1.2 / far side oval 1.4x2 hole 0.9: 1(-2.54,0) 2(0,0) 3(2.54,0)
  silkscreen extent -4.8,-2 4.9,4.4, body extent -4.73,-1.85 4.8,4.25, height 11.56
POWER_2X2-RA [mm] "TE Connectivity PE Series, 4.2mm Pitch 4 Way 2 Row Right Angle PCB Header, Solder Termination, 9A"
  round 3 hole 1.8: 1(-2.1,2.75) 2(2.1,2.75) 3(-2.1,-2.75) 4(2.1,-2.75)
  silkscreen extent -5.3,3.85 4.8,4.85, body extent -5.3,-4.25 4.8,16.85, height 11.69
QFG50_48 [mm] "LQFP48, PQFF, PQFG, TSQFP, 48-Leads, Body 7.00x7.00mm, Pitch 0.50mm"
  oval 1.6x0.3 smd mask+0.05: 1(-4.2,2.75) 2(-4.2,2.25) 3(-4.2,1.75) 4(-4.2,1.25) 5(-4.2,0.75) 6(-4.2,0.25) 7(-4.2,-0.25) 8(-4.2,-0.75) 9(-4.2,-1.25) 10(-4.2,-1.75) 11(-4.2,-2.25) 12(-4.2,-2.75) 25(4.2,-2.75) 26(4.2,-2.25) 27(4.2,-1.75) 28(4.2,-1.25) 29(4.2,-0.75) 30(4.2,-0.25) 31(4.2,0.25) 32(4.2,0.75) 33(4.2,1.25) 34(4.2,1.75) 35(4.2,2.25) 36(4.2,2.75)
  oval 0.3x1.6 smd mask+0.05: 13(-2.75,-4.2) 14(-2.25,-4.2) 15(-1.75,-4.2) 16(-1.25,-4.2) 17(-0.75,-4.2) 18(-0.25,-4.2) 19(0.25,-4.2) 20(0.75,-4.2) 21(1.25,-4.2) 22(1.75,-4.2) 23(2.25,-4.2) 24(2.75,-4.2) 37(2.75,4.2) 38(2.25,4.2) 39(1.75,4.2) 40(1.25,4.2) 41(0.75,4.2) 42(0.25,4.2) 43(-0.25,4.2) 44(-0.75,4.2) 45(-1.25,4.2) 46(-1.75,4.2) 47(-2.25,4.2) 48(-2.75,4.2)
  silkscreen extent -5.5,-5.5 5.5,5.5, body extent -4.5,-4.5 4.5,4.5, height 1.6
R1206 [mm] "CHIP RESISTOR 1/4 WATT, Body 3.2x1.6mm,1206, 3216"
  rrect50% 1.6x1.6 smd paste-0.1 mask+0.075: 1(-1.4,0) 2(1.4,0)
  Top Layer pour cut-out: -0.8,1 -0.8,-1 0.8,-1 0.8,1
  silkscreen extent -2.4,-1 2.4,1, body extent -1.67,-0.86 1.68,0.87, height 0.85
R1210 [mm] "CHIP RESISTOR 1/2 WATT, Body 3.2x2.5mm,1210, 3225"
  rrect50% 1.6x2.4 smd paste-0.2 mask+0.075: 1(-1.6,0) 2(1.6,0)
  silkscreen extent -2.6,-1.4 2.6,1.4, body extent -1.7,-1.35 1.7,1.35, height 0.69
R-1206_LVK [mm] "LVK12 (1206),3.2mm x 1.6mm x 0.50mm (LxWxH)"
  rrect10% 1.75x1.1 smd: 1(-1.375,0.7) 2(-1.375,-0.7) 3(1.375,0.7) 4(1.375,-0.7)
  silkscreen extent -0.1,-0.8 0.1,0.8, body extent -2.25,-1.25 2.25,1.25, height 0.55
REL_DPDT_8_2913 [mm] "RELAY, DPDT, 8P, 2.54mm pitch, 29X13mm, G2R-2C, HHC69A, NNC69A, JQX-14FC"
  oval 3.6x2.4 hole 1.5: 1(-3.75,12.5) 2(-3.75,-2.5) 3(-3.75,-7.5) 4(-3.75,-12.5) 5(3.75,-12.5) 6(3.75,-7.5) 7(3.75,-2.5) 8(3.75,12.5)
  silkscreen extent -6.6,-14.4 6.3,14.7, body extent -6.5,-14.33 6.23,14.63, height 25.46
RU_14_ADI [mil]
  rect 57.56x13.97 smd paste+0 mask+0: 1(-111,76.77) 2(-111,51.18) 3(-111,25.59) 4(-111,0) 5(-111,-25.59) 6(-111,-51.18) 7(-111,-76.77) 8(111,-76.77) 9(111,-51.18) 10(111,-25.59) 11(111,0) 12(111,25.59) 13(111,51.18) 14(111,76.77)
  silkscreen extent -165,-106 94,106, body extent -126,-101 126,101, height 47
SDMICRO_AT [mm] "SDMICRO exist on Iran, Attend 112J-TDAR-R01 push-push"
  oval 0.7x1.6 smd: 1(-2.2,-5.25) 2(-1.1,-5.25) 3(0,-5.25) 4(1.1,-5.25) 5(2.2,-5.25) 6(3.3,-5.25) 7(4.4,-5.25) 8(5.5,-5.25) 9(6.6,-5.25)
  rect 1.2x1.4 smd: SH1(7.85,-4.65)
  rect 1.2x2.2 smd: SH2(7.75,4.85) SH3(-7.75,4.85)
  rect 1.6x1.2 smd: SH4(-6.85,-4.75)
  round 1 hole 1 unplated mask+0.102: ""(-3.05,5.25) ""(4.95,5.25)
  silkscreen extent -7.3,-5.3 7.5,15.52, body extent -8,-5.7 8.1,13.82, height 1.85
SO_8 [mm] "SOP-8, 5x3.9mm body 1.27mm pitch, SOT96-1, M08A, S8, SOIC8, VO8, MS-012AA(JEDEC), R-8, 8S2, VOG8"
  oval 2x0.6 smd: 1(-2.8,1.905) 2(-2.8,0.635) 3(-2.8,-0.635) 4(-2.8,-1.905) 5(2.8,-1.905) 6(2.8,-0.635) 7(2.8,0.635) 8(2.8,1.905)
  silkscreen extent -2.8,-2.7 2.1,2.8, body extent -3,-2.45 3,2.45, height 1.7
SO_8T [mm] "SOP-8, 5x3.9mm body 1.27mm pitch, DDA, SO PowerPAD"
  oval 2x0.6 smd: 1(-2.8,1.905) 2(-2.8,0.635) 3(-2.8,-0.635) 4(-2.8,-1.905) 5(2.8,-1.905) 6(2.8,-0.635) 7(2.8,0.635) 8(2.8,1.905)
  rect 2x3 smd paste-3 mask+0.1: 9(0,0)
  silkscreen extent -2.8,-2.7 2.1,2.8, body extent -3,-2.45 3,2.45, height 1.7
SO_14 [mm] "SOP, SOIC, 3.9mm width, 1.27mm pitch,"
  oval 2x0.6 smd: 1(-2.8,3.81) 2(-2.8,2.54) 3(-2.8,1.27) 4(-2.8,0) 5(-2.8,-1.27) 6(-2.8,-2.54) 7(-2.8,-3.81) 8(2.8,-3.81) 9(2.8,-2.54) 10(2.8,-1.27) 11(2.8,0) 12(2.8,1.27) 13(2.8,2.54) 14(2.8,3.81)
  silkscreen extent -2.8,-4.6 2.1,4.7, body extent -3.1,-4.38 3.1,4.37, height 1.75
SOT23 [mm] "SOT23, 3-Leads, Body 2.9x1.3mm, Pitch 0.95mm, Lead Span 2.3mm - Reverse Pinning, IPC High Density"
  rrect25% 1x1.2 smd paste-1.2: 1(-0.95,-1.2) 2(0.95,-1.2) 3(0,1.2)
  silkscreen extent -1.5,-0.2 1.5,0.7, body extent -1.46,-1.8 1.46,1.8, height 1.05
SOT23_3 [mm] "SOT-23, Micro3, MO-178, TO-236AB, MO-193C, SuperSOT3, SC-59, 1.5x3mm, Pitch 1.9mm"
  rrect50% 1.2x0.7 smd paste-0.05 mask+0.1: 1(-1.3,1) 2(-1.3,-1) 3(1.3,0)
  silkscreen extent -0.8,-1.6 0.8,1.6, body extent -1.32,-1.5 1.32,1.5, height 1.08
SOT23_5 [mm] "SOT-23-5, SOT25, SOT-25, DBV(R-PDSO-G5), SOT753, TSOT23-5, SC-74A, SOT23-5, S5-T (LINEAR), MO-178AA, MO-193AB(JEDEC), MF05A (NS), TSOP-5(ON), UJ-5 (AD), 1.5x3mm, Pitch 0.65mm"
  oval 1.2x0.6 smd paste-0.05: 1(-1.2,0.95) 2(-1.2,0) 3(-1.2,-0.95) 4(1.2,-0.95) 5(1.2,0.95)
  silkscreen extent -1.6,-1.6 0.9,1.9, body extent -1.25,-1.5 1.25,1.5, height 1.15
SOT23_8 [mm] "SOT23, 8-Leads, DCN, DDF, 1.5x3mm, Pitch 0.65mm"
  oval 1x0.4 smd paste-0.05 mask+0.075: 1(-1.2,0.952) 2(-1.2,0.317) 3(-1.2,-0.318) 4(-1.2,-0.953) 5(1.2,-0.952) 6(1.2,-0.317) 7(1.2,0.318) 8(1.2,0.953)
  silkscreen extent -1.5,-1.6 0.9,1.7, body extent -1.4,-1.45 1.4,1.45, height 1
SWPBS_SPST_6X3X5 [mm] "SWITCH, PUSHBUTTON, SMD, SPST, 6X3.5mm, SKQMBBE010, 50000 Cycles, 1.57N Force"
  oval 2.2x1.6 smd mask+0.1: 1(-3.5,0) 2(3.5,0)
  silkscreen extent -3.1,-1.9 3.1,1.9, body extent -3.65,-1.75 3.65,1.75, height 5
SWTOG_SPDT_R_M2012 [mm] "Switch Toggle, SPDT, THD, RightAngLe, NKK M2012SA2W30, MTS-102-C3"
  oval 2x3.6 hole 1.2 slot 1.8 at 90 deg: 1(4.7,0) 2(0,0) 3(-4.7,0)
  oval 3x2 hole 1.5: ""(-2.5,12.8) ""(2.549,12.8)
  silkscreen extent -6.6,1.9 6.6,32.21, body extent -6.5,-0.57 6.5,32.23, height 8.06
TMS2 [mm] "Header 2.5mm SPOX,WTB,vert, shrouded, 2w"
  rect 1.778x1.778 hole 0.9: 1(1.25,0)
  round 1.778 hole 0.9: 2(-1.25,0)
  silkscreen extent -3.7,-1.82 3.7,3.08, body extent -3.7,-1.82 3.7,3.07, height 5.9
TMS9 [mil] "Header 2.5mm SPOX,WTB,vert, shrouded, 9w"
  rect 70x70 hole 35.43: 1(393.72,0)
  round 70 hole 35.43: 2(295.3,0) 3(196.87,0) 4(98.44,0) 5(0.01,0) 6(-98.43,0) 7(-196.86,0) 8(-295.29,0) 9(-393.72,0)
  silkscreen extent -490,-72 490,121, body extent -490,-72 490,121, height 232
TO92_3 [mm] "TO-92, SOT54"
  oval 1x1.8 hole 0.8 mask+0.1: 1(-1.27,0) 2(0,0) 3(1.27,0)
  silkscreen extent -2.5,-1.59 2.5,2.3, body extent -2.38,-1.45 2.38,2.18, height 4.82
TO126_3 [mm] "TO126, TO-126, SOT32 (PHIPLIPS), pitch: 2.3mm, 8X3mm"
  oval 1.6x2 hole 1: 1(-2.3,0) 2(0,0) 3(2.3,0)
  silkscreen extent -3.9,-1.8 3.9,1.7, body extent -3.8,-1 3.8,1.55, height 13.19
"TO-252 (D-PAK)" [mil] "D-PAK/TO-252-AA; 3 Leads (1 Cropped); Body 10.1 (inc. leads) x 6.6 mm (LxW max)"
  rrect25% 47.24x86.61 smd: 1(-89.96,-141.73) 3(89.96,-141.73)
  rrect25% 40x40 smd: 4(-70,51) 4(-70,111) 4(-70,171) 4(0,51) 4(0,111) 4(0,171) 4(70,51) 4(70,111) 4(70,171)
  rrect10% 220.47x244.09 smd paste-122.05: 4(0,141.73)
  rrect25% 188.98x43.31 smd: 4(0,234.94)
  silkscreen extent -132,-171 132,251, body extent -129,-185 129,264, height 95
USB_MICRO_B_BM_SHS [mm] "CONN, USB Micro B - Standard (Bottom mount), Shell SMD, 473460001, ZX62-AB-5PA"
  oval 0.4x1.4 smd mask+0.05: 1(1.3,0) 2(0.65,0) 3(0,0) 4(-0.65,0) 5(-1.3,0)
  round 1.2 hole 0.6 slot 1 at 0 deg mask+0.05: SH1(-2.4,-0.2) SH2(2.4,-0.2)
  rect 2x2 smd: SH3(-1.2,2.6) SH4(1.2,2.6)
  rrect50% 1.6x2 / inner oval 0.8x1.6 / far side oval 0.8x1.6 hole 0.6 slot 1.4 at 90 deg: SH5(-4.2,2.6) SH6(4.2,2.6)
  rect 2x1.6 smd: SH7(-3.1,0.1) SH8(3.1,0.1)
  silkscreen extent -4.08,-1.1 4.08,5.43, body extent -3.99,-0.3 3.99,5.13, height 2.72
XTL_2_11X5 [mm] "SMD crystal resonator, ABL, ABLS, HC-49, HC49 11X4.5MM"
  oval 3x1.5 smd: 1(-5.6,0) 2(5.6,0)
  silkscreen extent -5.7,-2.4 5.7,2.4, body extent -6.4,-2.41 6.4,2.42, height 4.3
XTLT_RTC [mm] "CRYSTAL RTC SLEEP, AB26T"
  oval 0.9x1.2 hole 0.6 mask+0.1: 1(-0.6,0) 2(0.6,0)
  rrect50% 2.4x7 smd: 3(0.011,5.763)
  silkscreen extent -1.1,0.9 1.1,2.1, body extent -1,-0.1 1,7.04, height 2